# Altium PCB PCB_CONTROL.PcbDoc (part 1 of 2) (continued)
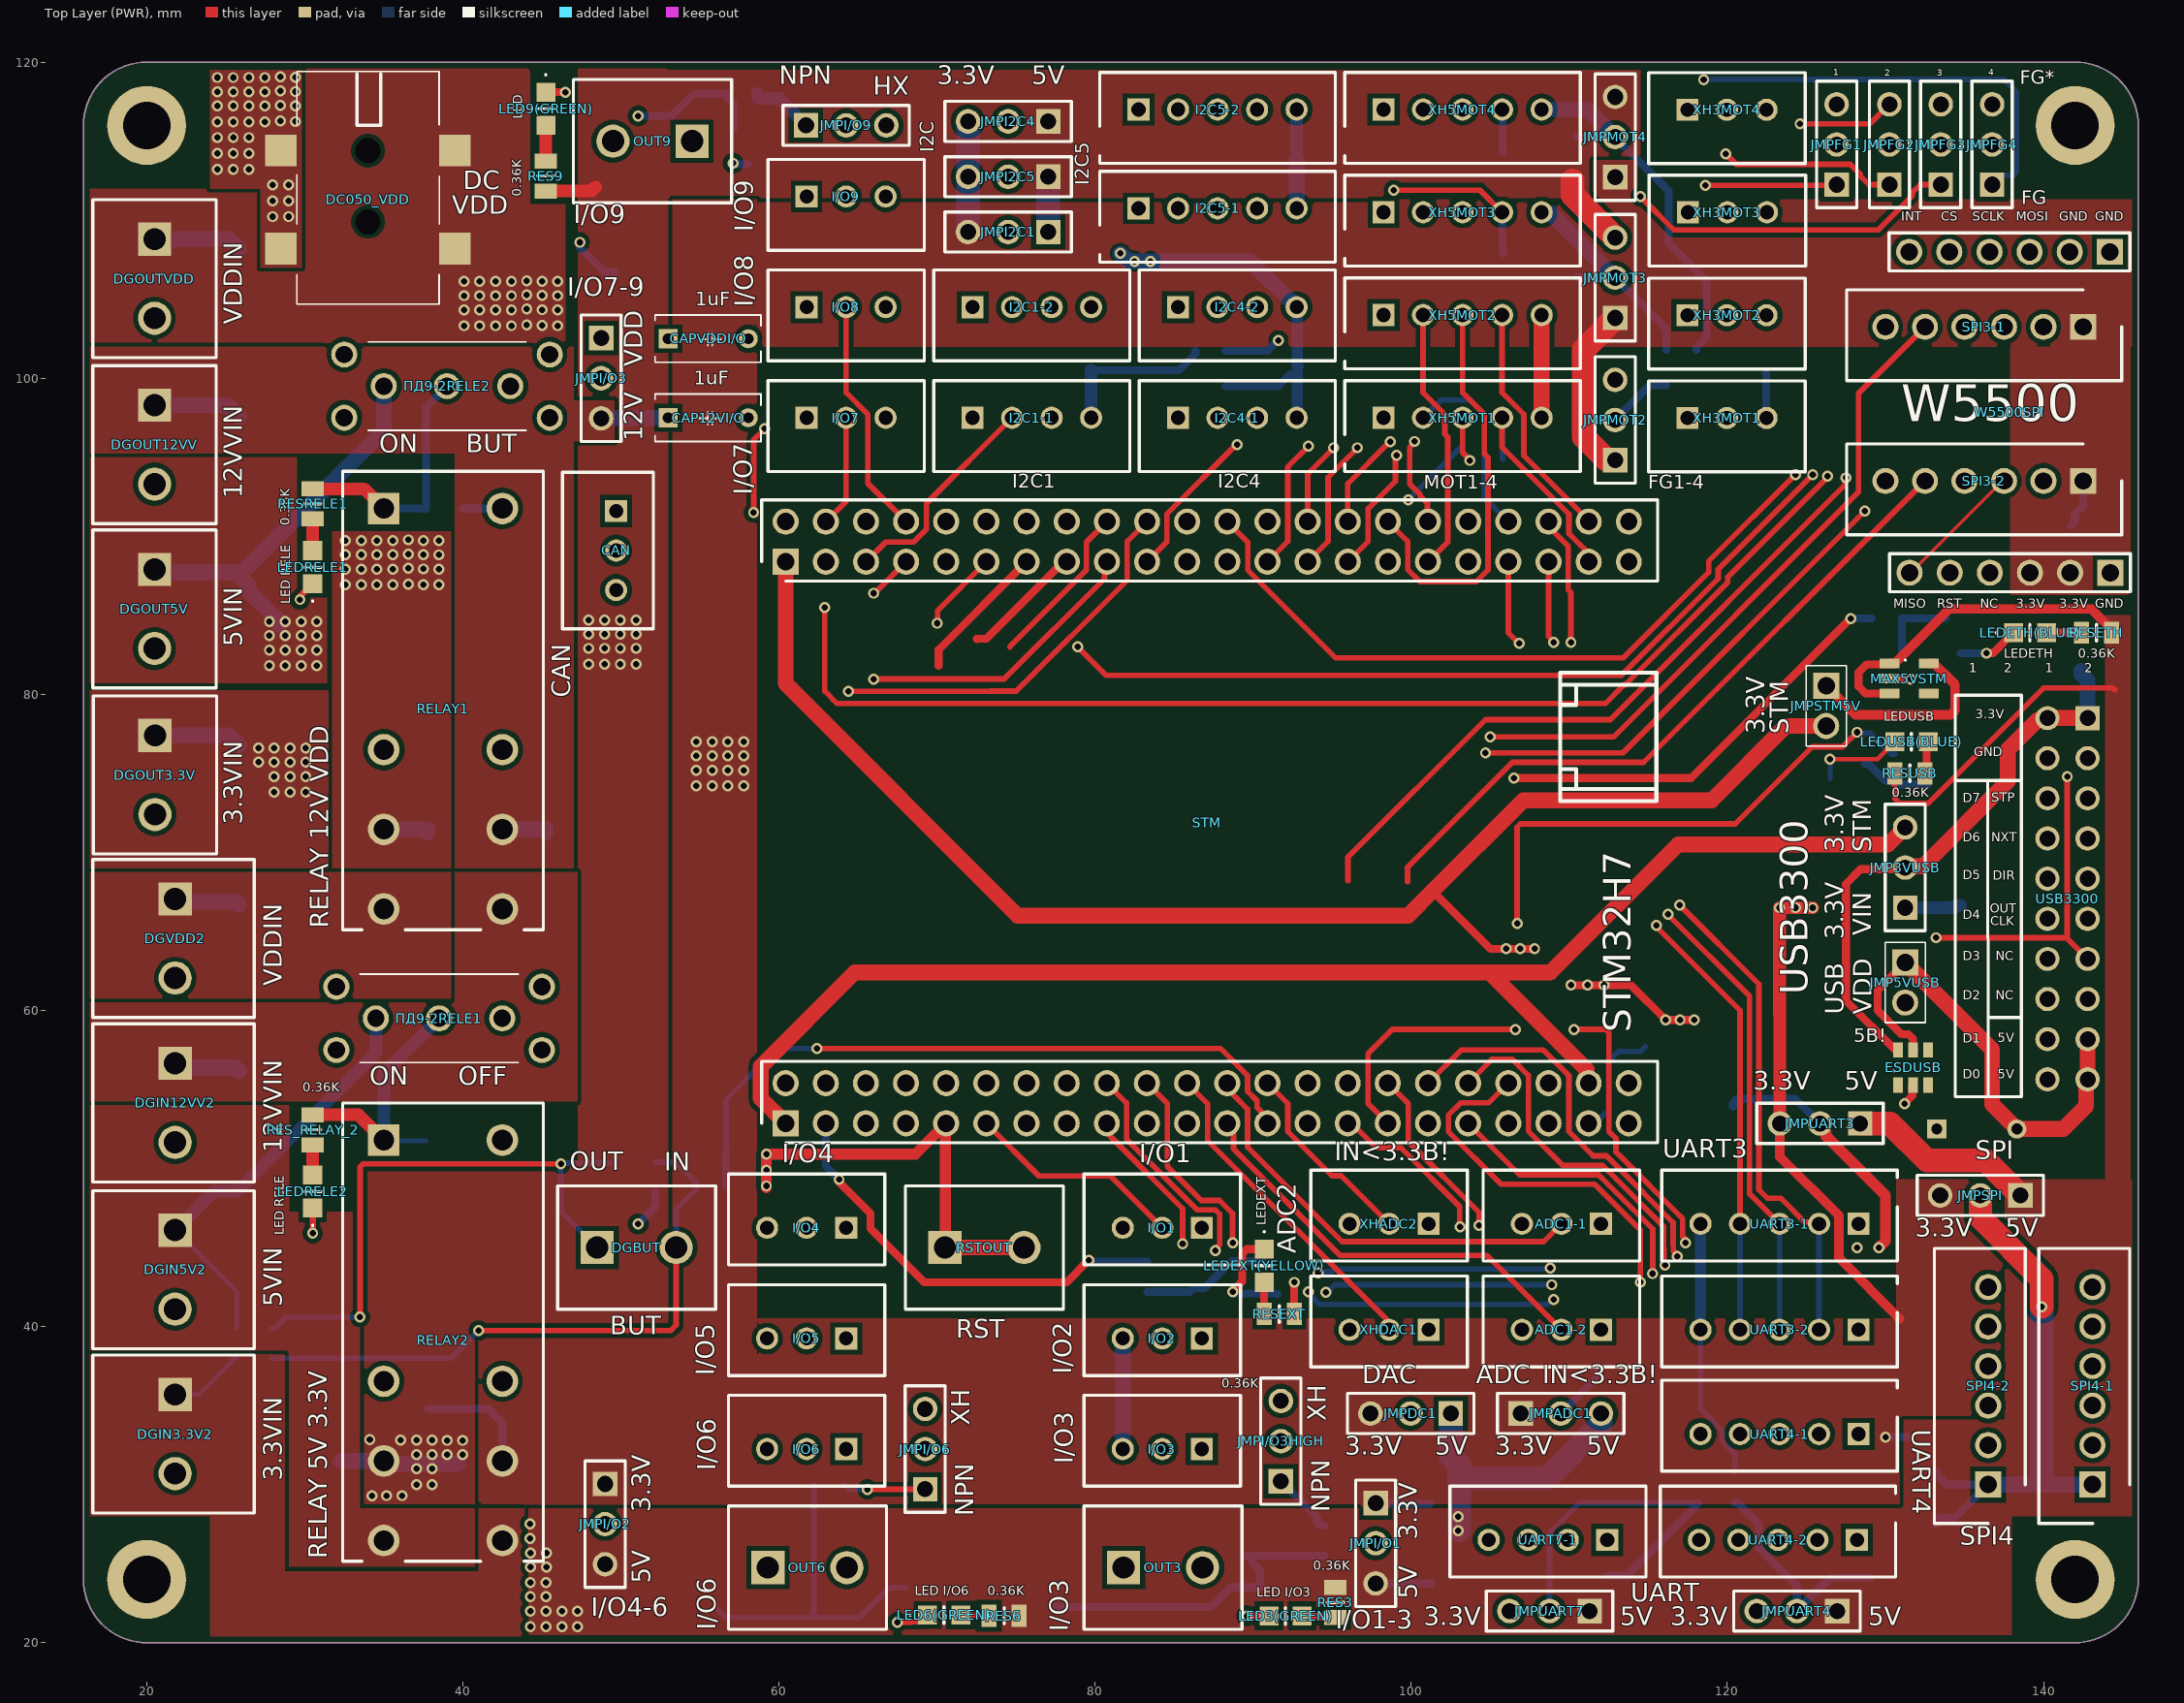
[diagram p0: Top Layer (PWR) view]
## Footprints (in the part's own frame and the unit in brackets; to place one, negate y for a bottom-side part, rotate by r counter-clockwise, add the part's x,y. Pads: shape width x height; smd on the part's side, far side on the other; paste and mask are expansions set on the pad) (continued)
  silkscreen extent -0.06,4.85 40.62,61.54, body extent -0.13,-0.13 40.51,66.75, height 13.25
USB3300 [mm]
  rect 1.53x1.53 hole 1.02: 3.3V(24.389,9.826)
  round 1.53 hole 1.02: 3.3V(24.389,12.366) 5V(1.529,9.826) 5V(4.069,9.826) CLKOUT(11.689,9.826) D0(1.529,12.366) D1(4.069,12.366) D2(6.609,12.366) D3(9.149,12.366) D4(11.689,12.366) D5(14.229,12.366) D6(16.769,12.366) D7(19.309,12.366) DIR(14.229,9.826) GND(21.849,9.826) GND(21.849,12.366) NC(6.609,9.826) NXT(16.769,9.826) RST(9.149,9.826) STP(19.309,9.826)
  body extent 0.04,-0.08 25.94,12.73, height 5.35
W5500 [mm]
  round 1.65 hole 1.1: 3.3V(21.55,9.17) 3.3V(21.55,11.71) CS(1.25,4.065) GND(1.25,11.685) INT(1.25,1.525) MISO(21.55,1.55) MOSI(1.25,9.145) NC(21.55,6.63) RST(21.55,4.09) SCLK(1.25,6.605)
  rect 1.65x1.65 / inner round 1.65 / far side rect 1.65x1.65 hole 1.1: GND(1.25,14.225) GND(21.55,14.25)
  silkscreen extent 0.05,0.26 22.75,15.52, body extent -0.1,-4.15 22.9,22.95, height 17.94
XH2.54-3 [mm]
  rect 1.4x1.4 hole 0.9 paste-2539.97 mask+0: 1(2.475,3.486)
  round 1.4 hole 0.9 paste-2539.97 mask+0: 2(4.975,3.486) 3(7.475,3.486)
  silkscreen extent 0.02,0.09 9.92,5.84, body extent -0.08,-0.01 10.02,5.94, height 0.25
XH2.54-4 [mm]
  rect 1.4x1.4 hole 0.9 paste-2539.97 mask+0: 1(10.1,2.396)
  round 1.4 hole 0.9 paste-2539.97 mask+0: 2(7.6,2.396) 3(5.1,2.396) 4(2.6,2.396)
  silkscreen extent 0.15,0.05 12.55,5.8, body extent 0.05,-0.05 12.65,5.9, height 0.25
XH2.54-5 [mm]
  rect 1.4x1.4 hole 0.9 paste-2539.97 mask+0: 1(12.493,2.523)
  round 1.4 hole 0.9 paste-2539.97 mask+0: 2(9.993,2.523) 3(7.493,2.523) 4(4.993,2.523) 5(2.493,2.523)
  silkscreen extent 0.04,0.17 14.94,5.92, body extent -0.06,0.07 15.04,6.02, height 0.25
XH2.54-6 [mm]
  rect 1.65x1.65 / inner round 1.65 / far side rect 1.65x1.65 hole 1.1: 1(15,3.5)
  round 1.65 hole 1.1: 2(12.5,3.5) 3(10,3.5) 4(7.5,3.5) 5(5,3.5) 6(2.5,3.5)
  silkscreen extent 0.05,0.1 17.45,5.85, body extent 0,0.05 17.4,5.8, height 7
К10-17Б [mm]
  rect 1.2x1.2 hole 0.7: 1(0.838,1.533)
  round 1.2 hole 0.7: 2(5.9,1.533)
  silkscreen extent 0.01,0.03 6.7,3.03, body extent 0.48,0 6.22,3, height 4.51
ПД9-2 [mm]
  round 1.65 hole 1.1: 0(1,4.8) 0(1,0.8) 0(14,0.8) 0(14,4.8) 1(7.5,2.8) 2(3.5,2.8) 3(11.5,2.8)
  silkscreen extent 2.5,0 12.5,5.6, body extent 0,-7 15,5.6, height 6

## Part data
ADC1-1 ADC1-2 CAN I/O1 I/O2 I/O3 I/O4 I/O5 I/O6 I/O7 I/O8 I/O9 XH3MOT1 XH3MOT2 XH3MOT3 XH3MOT4 XHADC2 XHDAC1: "JST XH2.54-3pin"
BUTIN1 BUTIN2 RES1 RES2 RES3 RES4 RES5 RES6 RES7 RES8 RES9 RES_RELAY_2 RESETH RESEXT RESG1 RESG2 RESG3 RESG4 RESG5 RESG6 RESPWM1 RESPWM2 RESPWM3 RESPWM4 RESRELE1 RESUSB: library part RES0805, "RES-SMD0805"
CAP3.3VIN CAP3VI/O1 CAP3VI/O2 CAP5VI/O1 CAP5VI/O2 CAP5VIN CAP12VVIN CAPADC CAPI2C1 CAPI2C4 CAPI2C5 CAPMOT1 CAPMOT2 CAPMOT3 CAPMOT4 CAPSPI3 CAPSPI4 CAPSTM3V CAPSTM5V CAPUART3 CAPUART4 CAPUART7 CAPUSB3V CAPVDDIN: library part CAP0805, "CAP-SMD0805"
CAP5VUSB CAP12VI/O CAPVDDI/O: library part CAP, "К10-17Б"
DC050_VDD: "DC050-T"
DGBUT DGOUT3.3V DGOUT5V DGOUT12VV DGOUTVDD OUT3 OUT6 OUT9 RSTOUT: "DG127-5.0-02P-14-00Z"
DGIN3.3V2 DGIN5V2 DGIN12VV2 DGVDD2: "DG128-5.0-02P-14"
DIODRELE1 DIODRELE2: "1N4448WS-7-F"
ESD12VV ESDOUT3V ESDOUT5V ESDOUT12V ESDOUTVDD ESDPLUG_VDD ESDVDD: library part SM6T-A, "SM6T12A-SMD"
ESDI2C ESDUSB NUPIN NUPMOT NUPSPI NUPUART: "NUP4114HMR6T1G"
I2C1-2 I2C4-1 I2C4-2 I2С1-1 UART7-1: "JST XH2.54-4pin"
I2C5-1 I2C5-2 SPI3-1 SPI3-2 SPI4-1 SPI4-2 UART3-1 UART3-2 UART4-1 UART4-2 XH5MOT1 XH5MOT2 XH5MOT3 XH5MOT4: "JST XH2.54-5pin"
JMP3VUSB JMPADC1 JMPDC1 JMPFG1 JMPFG2 JMPFG3 JMPFG4 JMPI2C1 JMPI2C4 JMPI2C5 JMPI/O1 JMPI/O2 JMPI/O3 JMPI/O3HIGH JMPI/O6 JMPI/O9 JMPMOT2 JMPMOT3 JMPMOT4 JMPSPI JMPUART3 JMPUART4 JMPUART7: "PLS-1x3"
JMP5VUSB JMPSTM5V: "PLS-1x2"
LED3(GREEN) LED6(GREEN) LED9(GREEN) LEDETH(BLUE) LEDEXT(YELLOW) LEDUSB(BLUE): "LED-SMD0805"
LEDRELE1 LEDRELE2: library part LED0805, "LED-SMD0805"
M1 M6 M9 NMOSETH NMOSEXT NMOSUSB: "2N7002P,215"
MAX5VSTM MAXBUT: "MAX40203AUK+T"
MS1 MS6 MS9: "NMOSFET-20N06"
RELAY1 RELAY2: library part RELAY-5V, "R2G2CH005"
STM: "STM32H723VGT6"
USB3300: "USB3300HS"
W5500SPI: library part W5500, "W5500 TCP/IP"

## Free pads (board coordinates)
  round 5 hole 3: 26(20,116) 26(142,24) GND(20,24) GND(142,116)

## Via types
v1: diameter 0.7, hole 0.4, Top Layer (PWR) to Bottom Layer (GND), 299 vias

## Nets (pads, with @x,y where several pads share a name; then routed paths per layer and width w, separated by ;. In a path a pad name is that pad's centre, name@x,y a point inside that pad or via, vN(x,y) a via of type N, cw(c..) or ccw(c..) an arc to the next point about the centre after c; other vN are vias at no path point)
3.3VIN: CAP3.3VIN.2 CAP3VI/O1.1 CAP3VI/O2.1 CAPSPI3.2 CAPSTM3V.2 DGOUT3.3V.1 ESDOUT3V.1 JMP3VUSB.1 JMPADC1.1 JMPDC1.3 JMPI2C1.3 JMPI2C4.3 JMPI2C5.3 JMPI/O1.1 JMPI/O2.1 JMPMOT2.1 JMPMOT3.1 JMPMOT4.1 JMPSPI.3 JMPUART3.3 JMPUART4.3 JMPUART7.3 NUPSPI.1 RELAY2.B1 SPI3-1.1 SPI3-2.1 W5500SPI.3.3V | length 113.7
  Top Layer (PWR) w0.6: JMPUART3.3@123.32,52.85 123.32,50.748 127.05,47.018 127.05,44.35 130.9,40.5
  Top Layer (PWR) w0.8: JMPUART3.3@123.32,52.85 123.32,59.788 123.3,59.808 v1(123.3,66.5) v1(124.3,66.5) v1(125.4,66.5)
  Top Layer (PWR) w1.5: JMPMOT2.1@112.9,94.82 112.875,94.845 112.355,94.845 110.9,96.3 110.9,101.82 JMPMOT3.1@112.9,103.82
  Layer 2 (SIGN) w0.8: v1(123.3,66.5) v1(124.3,66.5) v1(125.4,66.5) JMP3VUSB.1@131.25,66.5
  Layer 2 (SIGN) w1: JMPI/O1.1@97.75,28.83 104.475,22.105 106.105,22.105 JMPUART7.3@106.21,22 ; JMPADC1.1@106.92,34.5 119.42,22 JMPUART4.3@121.86,22
  Bottom Layer (GND) w0.5: CAP3VI/O1.1@37.8,34.8 CAP3.3VIN.2@39.8,34.8 41.6,34.8 42.5,33.9 RELAY2.B1@42.5,31.5 ; JMPI/O1.1@97.75,28.83 97.78,28.8 CAP3VI/O2.1@101.2,28.8 ; v1(130,33) 130.014,33 130.037,33.023 NUPSPI.1@131.35,33.023 ; CAPSPI3.2@141.74,90.7 141.975,90.935 141.975,91.4 142.5,91.925 SPI3-2.1@142.5,93.5
  Bottom Layer (GND) w0.8: JMP3VUSB.1@131.25,66.5 134.34,66.5 134.5,66.66 CAPSTM3V.2@134.75,66.66
  Bottom Layer (GND) w1: DGOUT3.3V.1@20.725,77.2 DGOUT3.3V.1@20.525,77.4 25.212,77.4 25.837,76.775 ESDOUT3V.1@25.837,76.75 ; RELAY2.B1@42.5,31.5 RELAY2.B1@42.691,31.691
  Bottom Layer (GND) w1.5: JMPI2C1.3@71.96,109.25 JMPI2C5.3@71.96,112.75 JMPI2C4.3@71.96,116.25
  other v1: 28.068,73.806 29.068,73.806 30.068,73.806 54.768,74.206 55.768,74.206 56.768,74.206 57.768,74.206 28.068,74.806 29.068,74.806 30.068,74.806 54.768,75.206 55.768,75.206 56.768,75.206 57.768,75.206 27.068,75.706 28.068,75.706 29.068,75.706 30.068,75.706 54.768,76.106 55.768,76.106 56.768,76.106 57.768,76.106 27.068,76.606 28.068,76.606 29.068,76.606 30.068,76.606 54.768,77.006 55.768,77.006 56.768,77.006 57.768,77.006
3.3VSTM: JMP3VUSB.3 STM.3.3V | length 92.5
  Top Layer (PWR) w1: STM.3.3V@60.42,52.86 58.845,54.435 58.845,56.445 64.8,62.4 104.95,62.4 ; STM.3.3V@111.22,55.4 111.096,55.524 111.096,56.254 104.95,62.4 ; JMP3VUSB.3@131.25,71.58 130.17,70.5 116.9,70.5 108.8,62.4 104.95,62.4
3.3VUSB: CAPUSB3V.1 ESDUSB.6 JMP3VUSB.2 USB3300.3.3V | length 36
  Top Layer (PWR) w0.5: ESDUSB.6@130.8,57.5 130.777,57.477 130.643,57.477 127.5,60.62 127.5,68 128.442,68.942 131.152,68.942 JMP3VUSB.2@131.25,69.04
  Top Layer (PWR) w1: JMP3VUSB.2@131.25,69.04 131.339,69.129 132.379,69.129 137.75,74.5 137.75,76.5 139.649,78.399 140.149,78.399 USB3300.3.3V@140.25,78.5 USB3300.3.3V@142.79,78.5
  Bottom Layer (GND) w1: CAPUSB3V.1@142.41,81.5 142.41,81.28 142.79,80.9 USB3300.3.3V@142.79,78.5
5VADC: CAP5VI/O1.1 CAP5VI/O2.1 CAP5VIN.1 DGOUT5V.1 ESDOUT5V.1 JMPADC1.3 JMPDC1.1 JMPI2C1.1 JMPI2C4.1 JMPI2C5.1 JMPI/O1.3 JMPI/O2.3 JMPMOT2.3 JMPMOT3.3 JMPMOT4.3 JMPSPI.1 JMPUART3.1 JMPUART4.1 JMPUART7.1 MAX5VSTM.1 MAX5VSTM.3 RELAY2.A1 RES3.2 RES6.2 RES9.2 RESETH.2 RESEXT.2 RESUSB.2 XHADC2.3 ПД9-2RELE2.3 | length 153.9
  Top Layer (PWR) w0.35: RESUSB.2@130.6,75 130.6,73.4 130.9,73.1 132.7,73.1 140,80.4 144.4,80.4 144.5,80.3
  Top Layer (PWR) w0.5: RESEXT.2@92.6,40.8 v1(92.6,42.8) ; MAX5VSTM.3@130.25,80.05 128.748,80.05 128.3,80.498 128.3,81.4 128.8,81.9 130.2,81.9 MAX5VSTM.1@130.25,81.95
  Top Layer (PWR) w0.6: MAX5VSTM.1@130.25,81.95 130.575,81.95 134.025,85.4 143.025,85.4 144.3,84.125 RESETH.2@144.3,83.9
  Top Layer (PWR) w0.8: RES9.2@45.25,111.85 48.15,111.85 48.4,112.1
  Top Layer (PWR) w1.5: 110.2,112.5 110.2,111.6 JMPMOT3.3@112.9,108.9 ; JMPUART3.1@128.4,52.85 130.286,52.85 132.636,50.5 136.34,50.5 JMPSPI.1@138.54,48.3
  Layer 2 (SIGN) w0.5: v1(92.6,42.8) 92.638,42.838 92.638,43.163 94.168,44.693 94.293,44.693 XHADC2.3@96.1,46.5
  Layer 2 (SIGN) w1: XHADC2.3@96.1,46.5 96.177,46.423 96.177,45.523 98.083,43.617 100.883,43.617 103.2,41.3 103.2,35.2 JMPDC1.1@102.5,34.5
  Layer 2 (SIGN) w1.5: JMPMOT2.3@112.9,99.9 112.9,99.914 110.9,101.914 110.9,107.5 112.29,108.89 112.89,108.89 JMPMOT3.3@112.9,108.9
  Bottom Layer (GND) w0.5: JMPI/O1.3@97.75,23.75 97.755,23.745 101.295,23.745 CAP5VI/O2.1@101.3,23.74
  Bottom Layer (GND) w1: DGOUT5V.1@20.5,87.9 20.7,87.7 25.637,87.7 ESDOUT5V.1@25.837,87.5 ; 28.4,84.4 28.4,84.6 26.412,86.588 26.412,86.925 ESDOUT5V.1@25.837,87.5 ; CAP5VIN.1@32.3,31.493 32.303,31.497 34.997,31.497 RELAY2.A1@35,31.5 35.185,31.315 39.685,31.315 CAP5VI/O1.1@39.7,31.3 ; ПД9-2RELE2.3@35,99.5 35,96.688 25.837,87.525 ESDOUT5V.1@25.837,87.5
  Bottom Layer (GND) w1.5: JMPI2C1.1@77.04,109.25 JMPI2C5.1@77.04,112.75 ; JMPDC1.1@102.5,34.5 102.5,31.794 103.035,31.259 103.035,30.4 ; v1@103.035,27.1 103.035,30.4 ; JMPADC1.3@112,34.5 111.99,34.49 111.99,33.79 108.6,30.4 103.035,30.4
  other v1: 44.268,21.006 45.268,21.006 46.268,21.006 47.268,21.006 44.268,22.006 45.268,22.006 46.268,22.006 47.268,22.006 44.268,22.906 45.268,22.906 44.268,23.806 45.268,23.806 44.286,24.776 45.286,24.776 44.286,25.676 45.286,25.676 44.253,26.603 102.977,27.08 44.253,27.503 102.977,27.98 34.245,29.297 35.168,29.306 36.168,29.306 37.068,30.006 38.068,30.006 37.068,31.006 38.068,31.006 37.068,31.906 38.068,31.906 39,31.9 40,31.9 39,32.8 40,32.8 36.068,32.806 37.068,32.806 38.068,32.806 34.117,32.844 27.768,81.806 28.768,81.806 29.768,81.806 30.768,81.806 47.968,81.906 48.968,81.906 49.968,81.906 50.968,81.906 27.768,82.806 28.768,82.806 29.768,82.806 30.768,82.806 47.968,82.906 48.968,82.906 49.968,82.906 50.968,82.906 27.768,83.706 28.768,83.706 29.768,83.706 30.768,83.706 47.968,83.806 48.968,83.806 49.968,83.806 50.968,83.806 27.768,84.606 28.768,84.606 29.768,84.606 30.768,84.606 47.968,84.706 48.968,84.706 49.968,84.706 50.968,84.706
5VUSB: CAP5VUSB.2 ESDUSB.5 JMP5VUSB.1 USB3300.5V | length 30.5
  Top Layer (PWR) w0.5: JMP5VUSB.1@131.25,63.04 129.5,61.29 129.5,60 131,58.5 131.457,58.5 131.75,58.207 ESDUSB.5@131.75,57.5 ESDUSB.5@131.8,57.55
  Top Layer (PWR) w1: JMP5VUSB.1@131.25,63.04 136.75,57.54 136.75,54.062 CAP5VUSB.2@138.312,52.5 141.25,52.5 142.689,53.939 142.689,55.539 USB3300.5V@142.79,55.64 USB3300.5V@142.79,58.18
  Bottom Layer (GND) w1: CAP5VUSB.2@138.312,52.5 CAP5VUSB.2@138.35,52.462 ; USB3300.5V@142.79,55.497 USB3300.5V@142.79,55.64
12VI/O: CAP12VI/O.1 CAP12VVIN.2 DGOUT12VV.1 ESDOUT12V.1 JMPI/O3.3 RELAY1.B1 | length 13.2
  Bottom Layer (GND) w1: DGOUT12VV.1@20.75,98.05 DGOUT12VV.1@20.5,98.3 25.112,98.3 25.837,97.575 ESDOUT12V.1@25.837,97.55 ; RELAY1.B1@42.5,71.46 45.235,71.46 45.25,71.445 CAP12VVIN.2@45.25,71.25 ; JMPI/O3.3@48.77,97.48 52.98,97.48 CAP12VI/O.1@53,97.5
BUT: DGBUT.1 MAXBUT.5 NUPIN.1 ПД9-2RELE2.2 | length 94.7
  Top Layer (PWR) w0.35: v1(33.5,40.6) 33.5,50.095 33.705,50.3 v1(46.2,50.3)
  Layer 2 (SIGN) w0.8: ПД9-2RELE2.2@43,99.5 43,95 45,93 45,82.9 48.5,79.4 DGBUT.1@48.5,45
  Bottom Layer (GND) w0.35: NUPIN.1@27.923,39.9 28.103,39.9 28.803,40.6 v1(33.5,40.6) ; DGBUT.1@48.5,45 46.2,47.3 v1(46.2,50.3) 46.238,50.338 49.613,50.338 MAXBUT.5@49.675,50.4
BUTIN: BUTIN1.2 DGBUT.2 MAXBUT.1 NUPIN.3 | length 39.1
  Top Layer (PWR) w0.35: v1(41,39.75) 53.15,39.75 53.5,40.1 DGBUT.2@53.5,45
  Bottom Layer (GND) w0.35: NUPIN.3@27.923,38 39.25,38 v1(41,39.75) ; MAXBUT.1@52.175,50.4 53.475,50.4 54.75,49.125 BUTIN1.2@54.75,48.9 54.75,48.675 53.5,47.425 DGBUT.2@53.5,45
CW1: STM.D11 XH5MOT1.2 | length 12.1
  Bottom Layer (GND) w0.35: XH5MOT1.2@100.75,97.5 101.875,98.625 103.716,98.625 104.625,97.716 104.625,92.45 STM.D11@106.145,90.93
CW2: STM.D14 XH5MOT2.2 | length 16.8
  Top Layer (PWR) w0.35: XH5MOT2.2@100.75,104 100.75,99.091 102.125,97.716 102.125,96.472 102.315,96.282 102.315,89.64 STM.D14@101.065,88.39
CW3: STM.D15 XH5MOT3.2 | length 21.7
  Top Layer (PWR) w0.35: v1(100.2,96) 100.2,95.92 99.9,95.62 99.9,93.306 100.58,92.626 100.58,92.52 101.025,92.075 101.025,90.97 STM.D15@101.065,90.93
  Layer 2 (SIGN) w0.35: v1(100.2,96) 100.238,96.038 100.879,96.038 101.875,97.034 101.875,104.466 100.75,105.591 XH5MOT3.2@100.75,110.5
CW4: STM.A10 XH5MOT4.2 | length 33
  Top Layer (PWR) w0.35: STM.A10@90.905,88.39 92.195,89.68 92.195,94.395 v1(93.5,95.7)
  Layer 2 (SIGN) w0.35: v1(93.5,95.7) 95.2,97.4 95.2,111.9 100.099,116.799 100.549,116.799 XH5MOT4.2@100.75,117
D0: STM.A3 USB3300.D0 | length 105.5
  Layer 2 (SIGN) w0.25: STM.A3@83.28,52.86 84.6,54.18 84.6,57.25 84.6,57.375 84.092,57.375 84.092,57.879 85.108,57.879 85.108,58.383 84.092,58.383 84.092,58.887 85.108,58.887 85.108,59.391 84.092,59.391 84.092,59.895 85.108,59.895 85.108,60.399 84.092,60.399 84.092,60.903 85.108,60.903 85.108,61.407 84.555,61.407 84.555,61.911 84.6,61.911 84.6,62.8 84.6,63.154 84.746,63.3 86.954,63.3 87.1,63.154 87.1,63.1 87.1,62.975 87.608,62.975 87.608,62.471 86.592,62.471 86.592,61.967 87.608,61.967 87.608,61.463 86.592,61.463 86.592,60.959 87.608,60.959 87.608,60.455 86.592,60.455 86.592,59.951 87.608,59.951 87.608,59.447 86.592,59.447 86.592,58.943 87.608,58.943 87.608,58.439 86.592,58.439 86.592,57.935 87.608,57.935 87.608,57.431 86.592,57.431 86.592,56.927 87.608,56.927 87.608,56.423 87.1,56.423 87.1,55.8 87.1,54.3 87.1,50 87.5,49.6 137,49.6 140.25,52.85 USB3300.D0@140.25,55.64
D1: STM.B0 USB3300.D1 | length 105.5
  Layer 2 (SIGN) w0.2: STM.B0@93.44,55.4 93.44,63.183 93.323,63.3 92.317,63.3 92.2,63.183 92.2,62.791 92.2,62.502 91.742,62.502 91.742,62.048 92.708,62.048 92.708,61.594 91.692,61.594 91.692,61.14 92.708,61.14 92.708,60.686 91.692,60.686 91.692,60.232 92.708,60.232 92.708,59.778 91.692,59.778 91.692,59.324 92.708,59.324 92.708,58.87 91.692,58.87 91.692,58.416 92.708,58.416 92.708,57.962 91.692,57.962 91.692,57.508 92.708,57.508 92.708,57.054 91.692,57.054 91.692,56.6 92.2,56.6 92.2,56.5 92.2,50.4 92.525,50.075 132.775,50.075 133.059,50.359 132.7,50.718 133.021,51.039 133.739,50.321 134.06,50.642 133.473,51.229 133.794,51.55 134.381,50.963 134.702,51.284 134.2,51.786 134.521,52.107 135.023,51.605 135.344,51.926 134.626,52.644 134.947,52.965 135.665,52.247 135.986,52.568 135.268,53.286 135.589,53.607 136.307,52.889 136.628,53.21 135.91,53.928 136.231,54.249 136.949,53.531 137.27,53.852 136.552,54.57 136.873,54.891 137.591,54.173 137.912,54.494 137.194,55.212 137.515,55.533 138.233,54.815 138.554,55.136 137.836,55.854 138.157,56.175 138.814,55.518 139.135,55.839 138.478,56.496 138.799,56.817 139.325,56.292 139.646,56.613 139.479,56.779 139.55,56.85 140.012,57.312 140.012,57.942 USB3300.D1@140.25,58.18
D2: STM.B1 USB3300.D2 | length 105
  Layer 2 (SIGN) w0.2: STM.B1@93.44,52.86 95.35,50.95 116.4,50.95 116.5,50.95 116.5,52.22 116.954,52.22 116.954,50.525 117.408,50.525 117.408,52.22 117.862,52.22 117.862,50.525 118.316,50.525 118.316,52.22 118.77,52.22 118.77,50.525 119.224,50.525 119.224,52.22 119.678,52.22 119.678,50.525 120.132,50.525 120.132,51.812 120.586,51.812 120.586,50.95 121.2,50.95 121.65,51.4 130.072,51.4 132.986,54.314 133.057,54.385 132.159,55.283 132.48,55.604 134.276,53.808 134.597,54.129 132.801,55.925 133.122,56.246 134.918,54.45 135.239,54.771 133.443,56.567 133.764,56.888 135.56,55.092 135.881,55.413 134.085,57.209 134.406,57.53 136.202,55.734 136.523,56.055 134.727,57.851 135.048,58.172 136.844,56.376 137.165,56.697 135.369,58.493 135.69,58.814 137.486,57.018 137.807,57.339 136.011,59.135 136.332,59.456 138.128,57.66 138.449,57.981 136.653,59.777 136.974,60.098 137.872,59.2 138.186,59.514 139.302,60.63 140.16,60.63 USB3300.D2@140.25,60.72
D3: STM.B10 USB3300.D3 | length 105
  Layer 2 (SIGN) w0.2: STM.B10@108.68,55.4 107.4,54.12 107.4,52 108,51.4 114.6,51.4 115.7,52.5 115.7,55.1 117.7,57.1 117.9,57.1 118.95,57.1 118.95,56.812 119.404,56.812 119.404,58.37 119.858,58.37 119.858,55.83 120.312,55.83 120.312,58.37 120.766,58.37 120.766,55.83 121.22,55.83 121.22,58.37 121.674,58.37 121.674,55.83 122.128,55.83 122.128,58.37 122.582,58.37 122.582,55.83 123.036,55.83 123.036,58.37 123.49,58.37 123.49,55.83 123.944,55.83 123.944,58.37 124.398,58.37 124.398,55.83 124.852,55.83 124.852,58.37 125.306,58.37 125.306,55.83 125.76,55.83 125.76,58.37 126.214,58.37 126.214,55.83 126.668,55.83 126.668,58.37 127.122,58.37 127.122,55.83 127.576,55.83 127.576,58.37 128.03,58.37 128.03,55.83 128.484,55.83 128.484,58.37 128.938,58.37 128.938,55.83 129.392,55.83 129.392,58.37 129.846,58.37 129.846,55.83 130.3,55.83 130.3,57.1 130.4,57.1 131.198,57.1 137.358,63.26 USB3300.D3@140.25,63.26
D4: STM.B11 USB3300.D4 | length 105
  Layer 2 (SIGN) w0.2: STM.B11@108.68,52.86 110,54.18 110,56 115.8,61.8 116,61.8 116.1,61.8 116.1,63.07 116.554,63.07 116.554,60.53 117.008,60.53 117.008,63.07 117.462,63.07 117.462,60.53 117.916,60.53 117.916,63.07 118.37,63.07 118.37,60.53 118.824,60.53 118.824,63.07 119.278,63.07 119.278,60.53 119.732,60.53 119.732,63.07 120.186,63.07 120.186,60.53 120.64,60.53 120.64,63.07 121.094,63.07 121.094,60.53 121.548,60.53 121.548,63.07 122.002,63.07 122.002,60.53 122.456,60.53 122.456,63.07 122.91,63.07 122.91,60.53 123.364,60.53 123.364,63.07 123.818,63.07 123.818,60.53 124.272,60.53 124.272,63.07 124.726,63.07 124.726,60.53 125.18,60.53 125.18,63.07 125.634,63.07 125.634,60.53 126.088,60.53 126.088,63.07 126.542,63.07 126.542,60.53 126.996,60.53 126.996,63.07 127.45,63.07 127.45,60.53 127.904,60.53 127.904,62.282 128.358,62.282 128.358,61.8 134,61.8 134.4,61.8 138.4,65.8 USB3300.D4@140.25,65.8
D5: STM.B12 USB3300.D5 | length 105.1
  Layer 2 (SIGN) w0.2: STM.B12@113.765,88.39 113.765,77.435 114.2,77 114.271,76.929 114.604,76.596 113.742,75.735 114.063,75.414 115.823,77.173 116.144,76.852 114.348,75.056 114.669,74.735 116.465,76.531 116.786,76.21 114.99,74.414 115.311,74.093 117.107,75.889 117.428,75.568 115.632,73.772 115.953,73.451 117.749,75.247 118.07,74.926 116.274,73.13 116.595,72.809 118.391,74.605 118.712,74.284 116.916,72.488 117.237,72.167 119.033,73.963 119.354,73.642 117.558,71.846 117.879,71.525 119.675,73.321 119.996,73 118.2,71.204 118.521,70.883 120.317,72.679 120.638,72.358 118.842,70.562 119.163,70.241 120.959,72.037 121.28,71.716 119.484,69.92 119.805,69.599 121.601,71.395 121.922,71.074 120.126,69.278 120.447,68.957 122.243,70.753 122.564,70.432 120.768,68.636 121.089,68.315 122.885,70.111 123.206,69.79 121.41,67.994 121.731,67.673 122.629,68.571 122.7,68.5 123.4,67.8 139.468,67.8 140.008,68.34 USB3300.D5@140.25,68.34
D6: STM.B13 USB3300.D6 | length 105
  Layer 2 (SIGN) w0.2: STM.B13@113.765,90.93 115.8,88.895 115.8,82.5 116.1,82.2 116.171,82.129 117.069,83.027 117.39,82.706 115.594,80.91 115.915,80.589 117.711,82.385 118.032,82.064 116.236,80.268 116.557,79.947 118.353,81.743 118.674,81.422 116.878,79.626 117.199,79.305 118.995,81.101 119.316,80.78 117.52,78.984 117.841,78.663 119.637,80.459 119.958,80.138 118.162,78.342 118.483,78.021 120.279,79.817 120.6,79.496 118.804,77.7 119.125,77.379 120.921,79.175 121.242,78.854 119.446,77.058 119.767,76.737 121.563,78.533 121.884,78.212 120.088,76.416 120.409,76.095 122.205,77.891 122.526,77.57 120.73,75.774 121.051,75.453 122.847,77.249 123.168,76.928 121.372,75.132 121.693,74.811 123.489,76.607 123.81,76.286 122.014,74.49 122.335,74.169 124.131,75.965 124.452,75.644 122.656,73.848 122.977,73.527 124.773,75.323 125.094,75.002 123.298,73.206 123.619,72.885 124.667,73.933 124.989,73.612 124.838,73.462 125.129,73.171 125.2,73.1 125.4,72.9 138.23,72.9 USB3300.D6@140.25,70.88
D7: STM.B5 USB3300.D7 | length 107.3
  Layer 2 (SIGN) w0.2: STM.B5@70.585,90.93 69.3,89.645 69.3,86.4 71.1,84.6 112.3,84.6 112.5,84.8 112.5,91.8 113,92.3 117,92.3 119.7,89.6 119.771,89.529 ; 119.771,89.529 120.13,89.888 120.451,89.567 119.733,88.849 120.054,88.528 120.772,89.246 121.093,88.925 120.375,88.207 120.696,87.886 121.414,88.604 121.735,88.283 121.017,87.565 121.338,87.244 122.056,87.962 122.377,87.641 121.659,86.923 121.98,86.602 122.698,87.32 123.019,86.999 122.301,86.281 122.622,85.96 123.34,86.678 123.661,86.357 122.943,85.639 123.264,85.318 123.982,86.036 124.303,85.715 123.585,84.997 123.906,84.676 124.624,85.394 124.945,85.073 124.516,84.644 124.837,84.323 124.907,84.393 126.129,83.171 126.2,83.1 135.88,73.42 USB3300.D7@140.25,73.42
DIR: STM.C2 USB3300.DIR | length 105
  Layer 2 (SIGN) w0.2: STM.C2@75.66,55.4 76.9,54.16 76.9,49.973 78.423,48.45 129.518,48.45 131.768,46.2 140.8,46.2 141.4,46.8 141.471,46.871 141.112,47.23 141.433,47.551 142.151,46.833 142.472,47.154 141.754,47.872 142.075,48.193 142.793,47.475 143.114,47.796 142.396,48.514 142.717,48.835 143.435,48.117 143.756,48.438 143.038,49.156 143.359,49.477 144.077,48.759 144.398,49.08 144.039,49.439 144.3,49.7 144.6,50 144.6,68.183 144.483,68.3 142.83,68.3 USB3300.DIR@142.79,68.34
ETHLED: RESG3.1 STM.D3 | length 74
  Top Layer (PWR) w0.5: 72.5,83.5 72.51,83.51 73.114,83.51 77.994,88.39 STM.D3@78.205,88.39 ; v1(106.5,74.7) 117.7,74.7 v1(127.8,84.8)
  Layer 2 (SIGN) w0.5: 72.5,83.5 72.51,83.49 72.51,83.094 75.354,80.25 103.646,80.25 106.5,77.396 v1(106.5,74.7)
  Bottom Layer (GND) w0.5: v1(127.8,84.8) RESG3.1@129.15,84.8
EXTLED: RESG5.1 STM.E3 | length 27.4
  Top Layer (PWR) w0.5: v1(63.8,49.3) 63.81,49.29 63.81,49.148 65.8,47.157 65.8,46.2 69.2,42.8 78.2,42.8 v1(79.6,44.2)
  Bottom Layer (GND) w0.5: STM.E3@62.96,52.86 62.96,50.14 v1(63.8,49.3) ; v1(79.6,44.2) 79.614,44.2 79.714,44.1 RESG5.1@83.3,44.1
FG1: JMPFG1.1 STM.C6 XH5MOT1.3 | length 49.7
  Top Layer (PWR) w0.35: XH5MOT1.3@103.25,97.5 103.25,95.304 103.7,94.854 v1(103.7,94.8) ; v1(118.6,112.2) 126.865,112.2 JMPFG1.1@126.915,112.25
  Layer 2 (SIGN) w0.35: STM.C6@98.525,88.39 99.805,89.67 v1(99.805,92.305) ; v1(103.7,94.8) 104.641,94.8 107.125,97.284 107.125,105.925 111.6,110.4 114.89,110.4 116,111.51 116,111.995 116.205,112.2 v1(118.6,112.2)
  Bottom Layer (GND) w0.35: v1(99.805,92.305) 103.25,95.75 XH5MOT1.3@103.25,97.5
FG1*: JMPFG1.3 XH3MOT1.2 | length 22.7
  Layer 2 (SIGN) w0.35: XH3MOT1.2@119.975,97.486 124.4,101.911 124.4,114.61 126.915,117.125 JMPFG1.3@126.915,117.33
FG2: JMPFG2.1 STM.C7 XH5MOT2.3 | length 63.8
  Top Layer (PWR) w0.35: STM.C7@98.525,90.93 99.775,89.68 99.775,87.912 100.547,87.14 104.123,87.14 104.855,87.872 104.855,94.992 104.625,95.222 104.625,97.716 103.25,99.091 XH5MOT2.3@103.25,104 ; v1(119.9,114.2) 120.565,113.535 127.781,113.535 128.408,112.908 128.408,112.792 128.95,112.25 JMPFG2.1@130.25,112.25
  Layer 2 (SIGN) w0.35: XH5MOT2.3@103.25,104 103.25,106.589 102.125,107.714 102.125,110.966 105.219,114.06 113.397,114.06 113.537,114.2 v1(119.9,114.2)
FG2*: JMPFG2.3 XH3MOT2.2 | length 20.2
  Top Layer (PWR) w0.35: v1(124.6,116.1) 129.02,116.1 JMPFG2.3@130.25,117.33
  Layer 2 (SIGN) w0.35: XH3MOT2.2@119.975,103.986 123.7,107.711 123.7,115.2 v1(124.6,116.1)
FG3: JMPFG3.1 STM.C8 XH5MOT3.3 | length 61.5
  Top Layer (PWR) w0.35: STM.C8@95.985,88.39 97.275,89.68 97.275,91.749 99,93.474 99,94.952 99.074,95.026 v1(99.074,95.121) ; v1@114.5,111.499 116.624,109.375 129.526,109.375 131.701,111.549 131.701,111.751 132.2,112.25 JMPFG3.1@133.5,112.25
  Layer 2 (SIGN) w0.35: v1(99.074,95.121) 102.462,95.121 104.375,97.034 104.375,106.312 ; XH5MOT3.3@103.25,110.5 103.25,107.437 104.375,106.312 ; v1(114.5,111.5) 111.5,111.5 106.312,106.312 104.375,106.312
FG3*: JMPFG3.3 XH3MOT3.2 | length 18.7
  Layer 2 (SIGN) w0.35: XH3MOT3.2@120,110.5 120,112.7 125.9,118.6 131.1,118.6 132.37,117.33 JMPFG3.3@133.5,117.33
FG4: JMPFG4.1 STM.C9 XH5MOT4.3 | length 73.3
  Top Layer (PWR) w0.35: STM.C9@95.985,90.93 95.985,93.327 98.648,95.989 v1(98.69,95.989)
  Layer 2 (SIGN) w0.35: v1(98.69,95.989) 98.741,95.989 99.625,96.874 99.625,110.966 103.25,114.591 ; XH5MOT4.3@103.25,117 103.25,114.591 ; v1(118.5,118.9) 118.446,118.9 118.346,119 112.2,119 108.7,115.5 104.159,115.5 103.25,114.591
  Bottom Layer (GND) w0.35: v1(118.5,118.9) 137.5,118.9 138.3,118.1 138.3,113.053 138.095,112.847 137.347,112.847 JMPFG4.1@136.75,112.25
FG4*: JMPFG4.3 XH3MOT4.2 | length 18.5
  Layer 2 (SIGN) w0.35: XH3MOT4.2@119.975,116.986 122.189,119.2 134.88,119.2 JMPFG4.3@136.75,117.33
GND: ADC1-1.1 ADC1-2.1 BUTIN2.2 CAN.3 CAP3.3VIN.1 CAP3VI/O1.2 CAP3VI/O2.2 CAP5VI/O1.2 CAP5VI/O2.2 CAP5VIN.2 CAP5VUSB.1 CAP12VI/O.2 CAP12VVIN.1 CAPADC.2 CAPI2C1.1 CAPI2C4.1 CAPI2C5.1 CAPMOT1.2 CAPMOT2.2 CAPMOT3.2 CAPMOT4.2 CAPSPI3.1 CAPSPI4.1 CAPSTM3V.1 CAPSTM5V.1 CAPUART3.1 CAPUART4.1 CAPUART7.1 CAPUSB3V.2 CAPVDDI/O.2 CAPVDDIN.1 DC050_VDD.2 DC050_VDD.3 DGIN3.3V2.2 DGIN5V2.2 DGIN12VV2.2 DGOUT3.3V.2 DGOUT5V.2 DGOUT12VV.2 DGOUTVDD.2 DGVDD2.2 DIODRELE1.2 DIODRELE2.2 ESD12VV.2 ESDI2C.2 ESDOUT3V.2 ESDOUT5V.2 ESDOUT12V.2 ESDOUTVDD.2 ESDPLUG_VDD.2 ESDUSB.2 ESDVDD.2 I2C1-2.1 I2C4-1.1 I2C4-2.1 I2C5-1.1 I2C5-2.1 I2С1-1.1 I/O1.1 I/O2.1 I/O3.1 I/O4.1 I/O5.1 I/O6.1 I/O7.1 I/O8.1 I/O9.1 LEDRELE1.1 LEDRELE2.1 M1.2 M6.2 M9.2 MAX5VSTM.2 MAXBUT.2 MS1.3 MS6.3 NMOSETH.2 NMOSEXT.2 NMOSUSB.2 NUPIN.2 NUPMOT.2 NUPSPI.2 NUPUART.2 OUT3.2 OUT6.2 OUT9.2 pad.GND RELAY1.2 RELAY2.2 RES2.2 RES5.2 RES8.2 RESG2.1 RESG4.1 RESG6.1 RESPWM1.1 RESPWM2.1 RESPWM3.1 RESPWM4.1 SPI3-1.6 SPI3-2.6 SPI4-1.6 SPI4-2.6 STM.G UART3-1.1 UART3-2.1 UART4-1.1 UART4-2.1 UART7-1.1 USB3300.GND W5500SPI.GND XH3MOT1.1 XH3MOT2.1 XH3MOT3.1 XH3MOT4.1 XH5MOT1.1 XH5MOT2.1 XH5MOT3.1 XH5MOT4.1 XHADC2.1 XHDAC1.1 | length 8.2
  Top Layer (PWR) w0.4: v1(29.7,86) 29.729,86.029 29.729,86.229 LEDRELE1.1@30.5,87 ; v1(30.5,45.9) LEDRELE2.1@30.5,47.5
  Top Layer (PWR) w0.5: MAX5VSTM.2@130.25,81 130.3,80.95 v1(131.596,80.95) ; v1(131.2,54.1) 131.2,54.114 131.7,54.614 131.7,55.227 ESDUSB.2@131.75,55.277
  Bottom Layer (GND) w0.5: DIODRELE1.2@40,91.75 42.49,91.75 RELAY1.2@42.5,91.76
  other v1: 27.971,110.226 28.971,110.226 27.971,111.226 28.971,111.226 27.971,112.226 28.971,112.226 24.471,113.226 25.471,113.226 26.471,113.226 24.471,114.226 25.471,114.226 26.471,114.226 24.471,115.226 25.471,115.226 26.471,115.226 24.471,116.226 25.471,116.226 26.471,116.226 27.471,116.226 29.412,116.236 28.45,116.275 24.471,117.226 25.471,117.226 26.471,117.226 27.471,117.226 29.412,117.236 28.45,117.275 24.471,118.126 25.471,118.126 26.471,118.126 27.471,118.126 29.412,118.136 28.45,118.175 24.471,119.026 25.471,119.026 26.471,119.026 27.471,119.026 29.412,119.036 28.45,119.075
I/O1: I/O1.2 STM.C1 | length 13.9
  Top Layer (PWR) w0.35: STM.C1@73.12,52.86 76.449,49.531 80.969,49.531 I/O1.2@84.25,46.25
I/O2: I/O2.2 STM.C13 | length 25.7
  Layer 2 (SIGN) w0.35: STM.C13@70.58,55.4 71.87,54.11 71.87,46.544 80.289,38.125 83.125,38.125 I/O2.2@84.25,39.25
I/O3: JMPI/O3HIGH.2 STM.E6 | length 44.4
  Layer 2 (SIGN) w0.35: STM.E6@68.04,55.4 69.29,54.15 69.29,48.708 68.8,48.218 68.8,43 74.6,37.2 92,37.2 93.3,35.9 93.3,34.3 JMPI/O3HIGH.2@91.75,32.75
I/O4: I/O4.2 STM.E5 | length 8.2
  Layer 2 (SIGN) w0.4: I/O4.2@61.75,46.25 61.75,49.11 STM.E5@65.5,52.86
I/O5: I/O5.2 STM.E4 | length 18.7
  Layer 2 (SIGN) w0.35: I/O5.2@61.75,39.25 61.75,44.659 63.125,46.034 63.125,47.126 66.75,50.751 66.75,54.15 STM.E4@65.5,55.4
I/O6: JMPI/O6.2 STM.E2 | length 33.4
  Layer 2 (SIGN) w0.35: STM.E2@62.96,55.4 61.67,54.11 61.67,52.27 60.5,51.1 60.5,38.5 61.964,37.036 69.564,37.036 70.7,35.9 70.7,33.7 JMPI/O6.2@69.25,32.25
I/O7: I/O7.2 STM.E1 | length 7.1
  Top Layer (PWR) w0.35: STM.E1@62.965,90.93 64.25,92.215 I/O7.2@64.25,97.5
I/O8: I/O8.2 STM.B7 | length 15.1
  Top Layer (PWR) w0.35: I/O8.2@64.25,104.5 64.25,99.091 65.625,97.716 65.625,93.35 STM.B7@68.045,90.93
I/O9: JMPI/O9.2 STM.B6 | length 47
  Top Layer (PWR) w0.35: v1(58.4,91.5) 58.4,96.1 v1(59.1,96.8) ; v1@66.055,86.4 STM.B6@68.045,88.39
  Layer 2 (SIGN) w0.35: v1(58.4,91.5) 58.4,88.1 61.9,84.6 64.2,84.6 v1(66,86.4) ; v1(59.1,96.8) 59.087,96.813 59.087,102.925 58.7,103.311 58.7,115.141 60.759,117.2 63.05,117.2 JMPI/O9.2@64.25,116
IN1: ADC1-1.2 STM.A6 | length 27.4
  Top Layer (PWR) w0.35: STM.A6@88.36,55.4 88.36,55.048 88.785,54.624 88.785,54.615 89.65,53.75 89.65,51.359 95.634,45.375 108.375,45.375 ADC1-1.2@109.5,46.5
IN2: ADC1-2.2 STM.A7 | length 27.3
  Top Layer (PWR) w0.35: STM.A7@88.36,52.86 88.36,52.508 88.755,52.114 88.755,51.245 95.5,44.5 104.8,44.5 ADC1-2.2@109.5,39.8
NetADC1-1_3: ADC1-1.3 ADC1-2.3 CAPADC.1 JMPADC1.2 | length 17
  Layer 2 (SIGN) w1: ADC1-1.3@107,46.5 107,37.8 109.355,35.445 109.355,34.605 JMPADC1.2@109.46,34.5
  Bottom Layer (GND) w0.5: JMPADC1.2@109.46,34.5 111.765,36.805 111.765,37.165 CAPADC.1@112,37.4